# KiCad board ciaa_acc.kicad_pcb (continued)
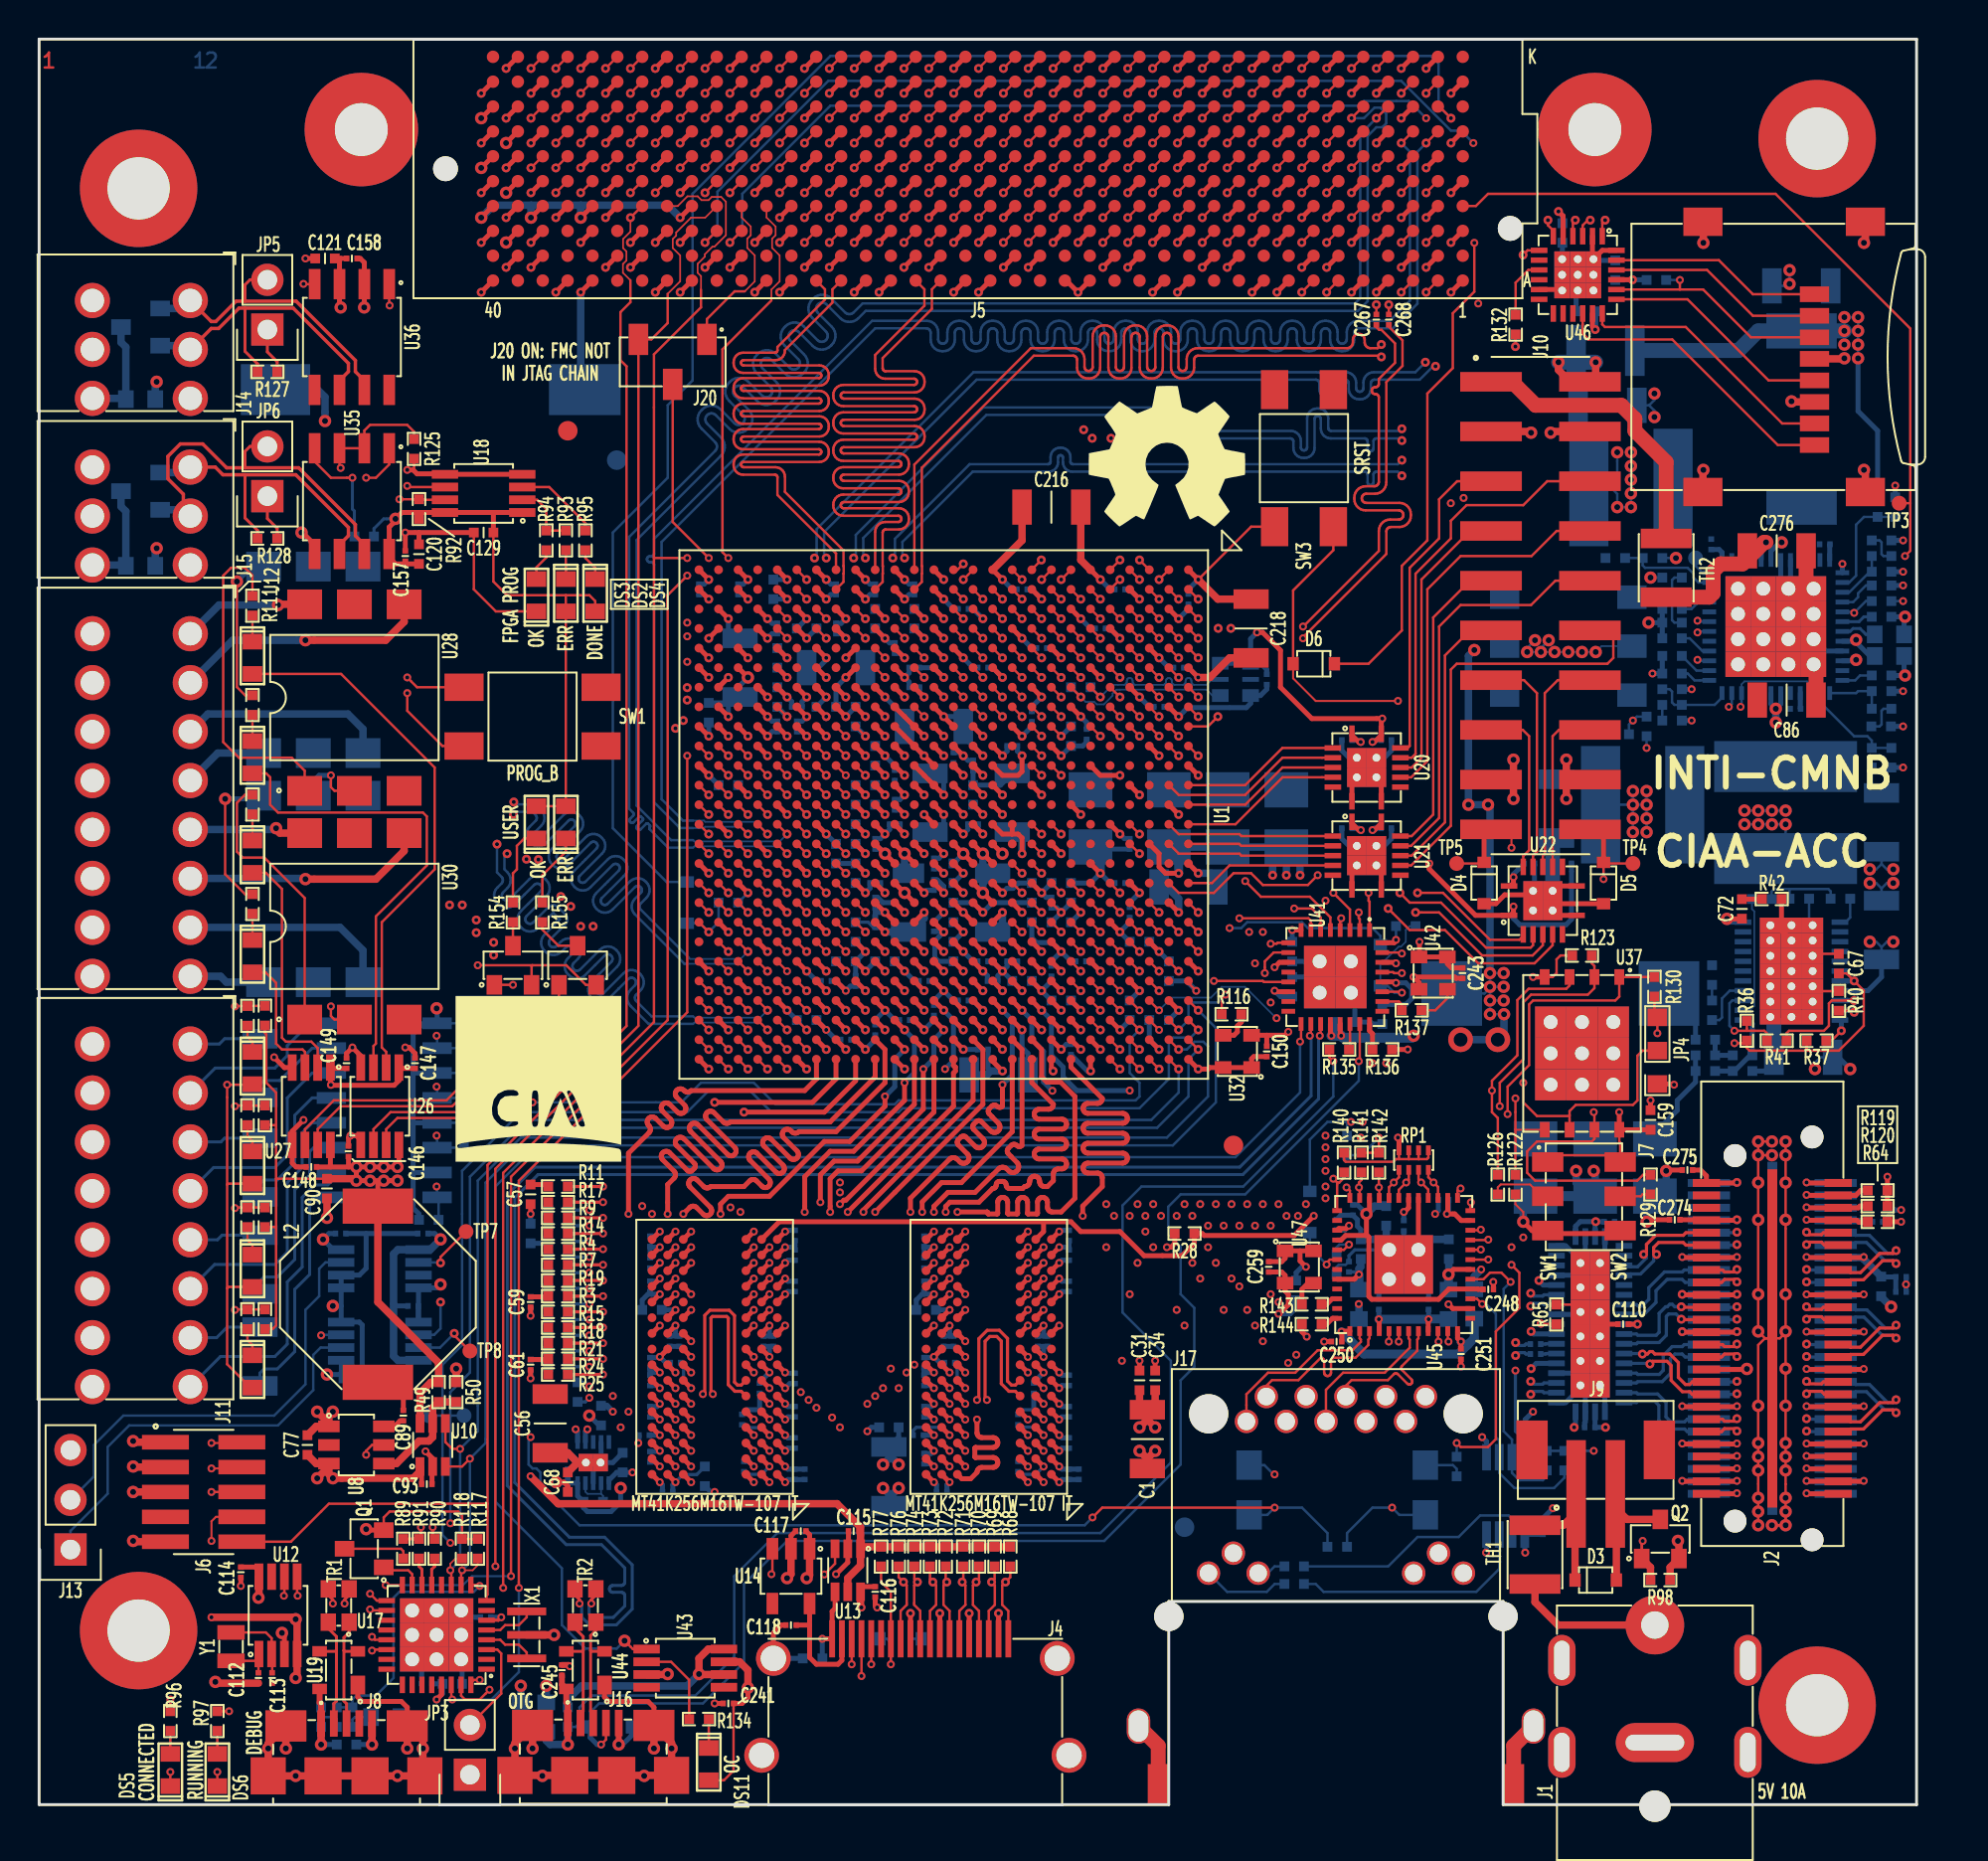
[diagram p0: board, top side]
## Routing (per net, layer and track width the routed paths; a pad name or vN(x,y) marks a point on that pad's centre or on a via; arc(x,y) is an arc through that point) (continued)
/Principal/BANKS_HP/FMC_HA_5_N: length 55.2
  TOP_L1.Sig w0.127: J5.E7 65.08,82.92 v2(64.49,82.32) ; U1.H11 v2(52.2,52.57)
  L5.Sig w0.089: v2(52.2,52.57) 52.57,52.94 59.7,52.94 59.71,52.93 63.49,52.93 69.07,58.52 69.07,70.33 69.06,70.43 69.03,70.51 68.98,70.59 68.92,70.66 68.84,70.71 68.75,70.74 68.66,70.75 68.5,70.75 68.46,70.75 68.43,70.76 68.4,70.78 68.37,70.81 68.35,70.84 68.34,70.87 68.34,70.9 68.34,70.91 68.34,70.94 68.35,70.98 68.37,71.01 68.4,71.03 68.43,71.05 68.46,71.06 68.5,71.07 69.54,71.07 69.64,71.08 69.72,71.11 69.8,71.16 69.87,71.22 69.92,71.3 69.95,71.39 69.96,71.48 69.96,71.53 69.95,71.62 69.92,71.71 69.87,71.79 69.8,71.86 69.72,71.9 69.64,71.94 69.54,71.95 69.23,71.95 69.2,71.95 69.16,71.96 69.13,71.98 69.11,72.01 69.09,72.04 69.08,72.07 69.07,72.11 69.07,72.22 67.22,74.08 67.19,74.11 67.17,74.15 67.16,74.19 67.16,74.23 67.17,74.27 67.19,74.31 67.22,74.34 67.58,74.71 67.64,74.78 67.68,74.87 67.71,74.97 67.71,75.07 67.68,75.16 67.64,75.25 67.58,75.33 67.54,75.36 67.47,75.42 67.38,75.47 67.28,75.49 67.18,75.49 67.09,75.47 67,75.42 66.92,75.36 66.56,75 66.53,74.97 66.49,74.95 66.45,74.95 66.41,74.95 66.37,74.95 66.33,74.97 66.3,75 66.27,75.03 66.25,75.07 66.24,75.11 66.24,75.15 66.25,75.19 66.27,75.23 66.3,75.26 66.66,75.63 66.72,75.7 66.77,75.79 66.79,75.89 66.79,75.98 66.77,76.08 66.72,76.17 66.66,76.24 66.62,76.28 66.55,76.34 66.46,76.39 66.36,76.41 66.26,76.41 66.17,76.39 66.08,76.34 66,76.28 65.64,75.92 65.61,75.89 65.57,75.87 65.53,75.86 65.49,75.86 65.45,75.87 65.41,75.89 65.38,75.92 65.26,76.03 65.26,81.33 65.75,81.82 66,81.82 66.26,82.07 66.26,82.58 66,82.83 65.49,82.83 64.99,82.32 64.48,82.32
/Principal/BANKS_HP/FMC_HA_5_P: length 54.3
  TOP_L1.Sig w0.127: v2(65.76,82.32) 66.35,82.92 J5.E6 ; U1.J11 v2(51.2,52.57)
  L5.Sig w0.089: v2(51.2,52.57) 51.82,53.19 59.7,53.19 59.72,53.21 63.37,53.21 68.79,58.63 68.79,70.31 68.79,70.34 68.78,70.38 68.76,70.41 68.73,70.43 68.7,70.45 68.67,70.46 68.64,70.47 68.47,70.47 68.38,70.48 68.29,70.51 68.21,70.56 68.15,70.62 68.1,70.7 68.07,70.79 68.06,70.88 68.06,70.93 68.07,71.03 68.1,71.11 68.15,71.19 68.21,71.26 68.29,71.31 68.38,71.34 68.47,71.35 69.52,71.35 69.55,71.35 69.59,71.36 69.62,71.38 69.64,71.41 69.66,71.44 69.67,71.47 69.68,71.51 69.67,71.54 69.66,71.58 69.64,71.61 69.62,71.63 69.59,71.65 69.55,71.66 69.52,71.67 69.21,71.67 69.12,71.68 69.03,71.71 68.95,71.76 68.88,71.82 68.83,71.9 68.8,71.99 68.79,72.08 68.79,72.11 67,73.9 66.94,73.98 66.9,74.07 66.87,74.16 66.87,74.26 66.9,74.35 66.94,74.44 67,74.52 67.36,74.88 67.39,74.92 67.41,74.95 67.42,75 67.42,75.04 67.41,75.08 67.39,75.11 67.36,75.15 67.33,75.17 67.29,75.19 67.25,75.2 67.21,75.2 67.17,75.19 67.13,75.17 67.1,75.15 66.74,74.78 66.66,74.72 66.57,74.68 66.48,74.66 66.38,74.66 66.28,74.68 66.19,74.72 66.12,74.78 66.08,74.82 66.02,74.9 65.98,74.98 65.95,75.08 65.95,75.18 65.98,75.27 66.02,75.36 66.08,75.44 66.44,75.8 66.47,75.84 66.49,75.87 66.5,75.91 66.5,75.96 66.49,76 66.47,76.03 66.44,76.07 66.41,76.09 66.38,76.11 66.33,76.12 66.29,76.12 66.25,76.11 66.22,76.09 66.18,76.07 65.82,75.7 65.74,75.64 65.65,75.6 65.56,75.58 65.46,75.58 65.36,75.6 65.28,75.64 65.2,75.7 64.98,75.92 64.98,77.5 64.98,77.53 64.97,77.56 64.95,77.59 64.93,77.62 64.9,77.63 64.87,77.64 64.83,77.65 64.45,77.65 64.42,77.65 64.39,77.66 64.36,77.68 64.34,77.7 64.32,77.73 64.31,77.76 64.3,77.8 64.31,77.83 64.32,77.86 64.34,77.89 64.36,77.92 64.39,77.93 64.42,77.94 64.45,77.95 64.83,77.95 64.87,77.95 64.9,77.96 64.93,77.98 64.95,78 64.97,78.03 64.98,78.06 64.98,78.1 64.98,81.55 v2(65.76,82.32)
/Principal/BANKS_HP/FMC_HA_6_N: length 54.4
  TOP_L1.Sig w0.127: U1.D8 v2(56.2,55.57) ; v2(59.41,88.67) 60,89.27 J5.K11
  L3.Sig w0.089: v2(59.41,88.67) 59.9,88.18 59.9,76.17 65.36,70.71 65.36,66.9 65.37,66.84 65.39,66.77 65.43,66.72 65.47,66.67 65.53,66.64 65.59,66.61 65.66,66.61 65.82,66.61 65.82,66.61 65.83,66.6 65.84,66.6 65.84,66.6 65.84,66.59 65.85,66.58 65.85,66.58 65.85,66.32 65.85,66.31 65.84,66.3 65.84,66.3 65.84,66.29 65.83,66.29 65.82,66.29 65.82,66.29 65.17,66.29 65.11,66.28 65.05,66.26 64.99,66.22 64.95,66.18 64.91,66.12 64.89,66.06 64.88,65.99 64.88,65.7 64.89,65.64 64.91,65.57 64.95,65.52 64.99,65.47 65.05,65.44 65.11,65.41 65.17,65.41 65.82,65.41 65.82,65.41 65.83,65.4 65.84,65.4 65.84,65.4 65.84,65.39 65.85,65.38 65.85,65.38 65.85,65.12 65.85,65.11 65.84,65.1 65.84,65.1 65.84,65.09 65.83,65.09 65.82,65.09 65.82,65.09 65.17,65.09 65.11,65.08 65.05,65.06 64.99,65.02 64.95,64.98 64.91,64.92 64.89,64.86 64.88,64.79 64.88,64.5 64.89,64.44 64.91,64.37 64.95,64.32 64.99,64.27 65.05,64.24 65.11,64.21 65.17,64.21 65.82,64.21 65.82,64.21 65.83,64.2 65.84,64.2 65.84,64.2 65.84,64.19 65.85,64.18 65.85,64.18 65.85,63.92 65.85,63.91 65.84,63.9 65.84,63.9 65.84,63.89 65.83,63.89 65.82,63.89 65.82,63.89 65.17,63.89 65.11,63.88 65.05,63.86 64.99,63.82 64.95,63.78 64.91,63.72 64.89,63.66 64.88,63.59 64.88,63.3 64.89,63.24 64.91,63.17 64.95,63.12 64.99,63.07 65.05,63.04 65.11,63.01 65.17,63.01 65.82,63.01 65.82,63.01 65.83,63 65.84,63 65.84,63 65.84,62.99 65.85,62.98 65.85,62.98 65.85,62.72 65.85,62.71 65.84,62.7 65.84,62.7 65.84,62.69 65.83,62.69 65.82,62.69 65.82,62.69 65.17,62.69 65.11,62.68 65.05,62.66 64.99,62.62 64.95,62.58 64.91,62.52 64.89,62.46 64.88,62.39 64.88,62.1 64.89,62.04 64.91,61.97 64.95,61.92 64.99,61.87 65.05,61.84 65.11,61.81 65.17,61.81 65.82,61.81 65.82,61.81 65.83,61.8 65.84,61.8 65.84,61.8 65.84,61.79 65.85,61.78 65.85,61.78 65.85,61.52 65.85,61.51 65.84,61.5 65.84,61.5 65.84,61.49 65.83,61.49 65.82,61.49 65.82,61.49 65.17,61.49 65.11,61.48 65.05,61.46 64.99,61.42 64.95,61.38 64.91,61.32 64.89,61.26 64.88,61.19 64.88,60.9 64.89,60.84 64.91,60.77 64.95,60.72 64.99,60.67 65.05,60.64 65.11,60.61 65.17,60.61 65.5,60.61 65.5,60.6 65.82,60.6 65.82,60.6 65.83,60.6 65.84,60.6 65.84,60.59 65.84,60.59 65.85,60.58 65.85,60.57 65.85,60.32 65.85,60.31 65.84,60.3 65.84,60.3 65.84,60.29 65.83,60.29 65.82,60.28 65.82,60.28 65.66,60.28 65.59,60.28 65.53,60.25 65.47,60.22 65.43,60.17 65.39,60.12 65.37,60.06 65.36,59.99 65.36,59.43 65.36,59.4 65.35,59.36 65.33,59.34 65.31,59.31 65.28,59.29 65.25,59.28 65.21,59.28 65.15,59.28 65.12,59.28 65.09,59.26 65.06,59.25 65.04,59.22 65.02,59.19 65.01,59.16 65,59.13 65.01,59.1 65.02,59.06 65.04,59.04 65.06,59.01 65.09,58.99 65.12,58.98 65.15,58.98 65.21,58.98 65.25,58.98 65.28,58.96 65.31,58.95 65.33,58.92 65.35,58.89 65.36,58.86 65.36,58.83 65.36,58.38 62.2,55.21 60.5,55.21 60.48,55.19 56.58,55.19 v2(56.2,55.57)
/Principal/BANKS_HP/FMC_HA_6_P: length 54.4
  TOP_L1.Sig w0.127: U1.D9 v2(56.2,54.57) ; v2(60.68,88.67) 61.27,89.27 J5.K10
  L3.Sig w0.089: v2(60.68,88.67) 60.18,88.18 60.18,76.29 65.64,70.82 65.64,66.92 65.64,66.91 65.65,66.9 65.65,66.9 65.66,66.89 65.66,66.89 65.67,66.89 65.68,66.89 65.83,66.89 65.9,66.88 65.96,66.86 66.02,66.82 66.06,66.78 66.1,66.72 66.12,66.66 66.13,66.59 66.13,66.3 66.12,66.24 66.1,66.17 66.06,66.12 66.02,66.07 65.96,66.04 65.9,66.01 65.83,66.01 65.19,66.01 65.19,66.01 65.18,66 65.17,66 65.17,66 65.16,65.99 65.16,65.98 65.16,65.98 65.16,65.72 65.16,65.71 65.16,65.7 65.17,65.7 65.17,65.69 65.18,65.69 65.19,65.69 65.19,65.69 65.83,65.69 65.9,65.68 65.96,65.66 66.02,65.62 66.06,65.58 66.1,65.52 66.12,65.46 66.13,65.39 66.13,65.1 66.12,65.04 66.1,64.97 66.06,64.92 66.02,64.87 65.96,64.84 65.9,64.81 65.83,64.81 65.19,64.81 65.19,64.81 65.18,64.8 65.17,64.8 65.17,64.8 65.16,64.79 65.16,64.78 65.16,64.78 65.16,64.52 65.16,64.51 65.16,64.5 65.17,64.5 65.17,64.49 65.18,64.49 65.19,64.49 65.19,64.49 65.83,64.49 65.9,64.48 65.96,64.46 66.02,64.42 66.06,64.38 66.1,64.32 66.12,64.26 66.13,64.19 66.13,63.9 66.12,63.84 66.1,63.77 66.06,63.72 66.02,63.67 65.96,63.64 65.9,63.61 65.83,63.61 65.19,63.61 65.19,63.61 65.18,63.6 65.17,63.6 65.17,63.6 65.16,63.59 65.16,63.58 65.16,63.58 65.16,63.32 65.16,63.31 65.16,63.3 65.17,63.3 65.17,63.29 65.18,63.29 65.19,63.29 65.19,63.29 65.83,63.29 65.9,63.28 65.96,63.26 66.02,63.22 66.06,63.18 66.1,63.12 66.12,63.06 66.13,62.99 66.13,62.7 66.12,62.64 66.1,62.57 66.06,62.52 66.02,62.47 65.96,62.44 65.9,62.41 65.83,62.41 65.19,62.41 65.19,62.41 65.18,62.4 65.17,62.4 65.17,62.4 65.16,62.39 65.16,62.38 65.16,62.38 65.16,62.12 65.16,62.11 65.16,62.1 65.17,62.1 65.17,62.09 65.18,62.09 65.19,62.09 65.19,62.09 65.83,62.09 65.9,62.08 65.96,62.06 66.02,62.02 66.06,61.98 66.1,61.92 66.12,61.86 66.13,61.79 66.13,61.5 66.12,61.44 66.1,61.37 66.06,61.32 66.02,61.27 65.96,61.24 65.9,61.21 65.83,61.21 65.19,61.21 65.19,61.21 65.18,61.2 65.17,61.2 65.17,61.2 65.16,61.19 65.16,61.18 65.16,61.18 65.16,60.92 65.16,60.91 65.16,60.9 65.17,60.9 65.17,60.89 65.18,60.89 65.19,60.89 65.19,60.89 65.5,60.89 65.5,60.88 65.83,60.88 65.9,60.88 65.96,60.85 66.02,60.82 66.06,60.77 66.1,60.72 66.12,60.66 66.13,60.59 66.13,60.3 66.12,60.23 66.1,60.17 66.06,60.11 66.02,60.07 65.96,60.03 65.9,60.01 65.83,60 65.68,60 65.67,60 65.66,60 65.66,60 65.65,59.99 65.65,59.99 65.64,59.98 65.64,59.97 65.64,58.26 62.31,54.93 60.5,54.93 60.48,54.95 56.58,54.95 v2(56.2,54.57)
/Principal/BANKS_HP/FMC_HA_7_N: length 54.4
  TOP_L1.Sig w0.127: v2(60.68,87.4) 61.27,88 J5.J10 ; U1.H8 v2(52.2,55.57)
  L3.Sig w0.089: v2(52.2,55.57) 52.5,55.57 53.87,54.2 54.67,54.2 54.67,54.19 59.7,54.19 59.72,54.21 62.72,54.21 66.76,58.25 66.76,58.96 66.76,58.98 66.75,59.01 66.73,59.03 66.71,59.05 66.69,59.07 66.66,59.08 66.64,59.08 66.39,59.08 66.36,59.08 66.33,59.09 66.31,59.11 66.29,59.13 66.27,59.15 66.26,59.18 66.26,59.21 66.26,59.23 66.27,59.26 66.29,59.28 66.31,59.3 66.33,59.32 66.36,59.33 66.39,59.33 66.64,59.33 66.66,59.33 66.69,59.34 66.71,59.36 66.73,59.38 66.75,59.4 66.76,59.43 66.76,59.46 66.76,59.48 66.75,59.51 66.73,59.53 66.71,59.55 66.69,59.57 66.66,59.58 66.64,59.58 66.39,59.58 66.36,59.58 66.33,59.59 66.31,59.61 66.29,59.63 66.27,59.65 66.26,59.68 66.26,59.71 66.26,59.73 66.27,59.76 66.29,59.78 66.31,59.8 66.33,59.82 66.36,59.83 66.39,59.83 66.64,59.83 66.66,59.83 66.69,59.84 66.71,59.86 66.73,59.88 66.75,59.9 66.76,59.93 66.76,59.96 66.76,71.09 66.3,71.55 66.25,71.62 66.21,71.7 66.19,71.79 66.19,71.89 66.21,71.98 66.25,72.06 66.3,72.13 66.67,72.5 66.69,72.53 66.71,72.56 66.72,72.59 66.72,72.63 66.71,72.66 66.69,72.7 66.67,72.72 66.64,72.75 66.61,72.76 66.57,72.77 66.54,72.77 66.5,72.76 66.47,72.75 66.44,72.72 65.59,71.87 65.53,71.82 65.45,71.79 65.37,71.77 65.29,71.77 65.21,71.79 65.14,71.82 65.07,71.87 64.97,71.98 64.92,72.04 64.88,72.11 64.86,72.19 64.86,72.28 64.88,72.36 64.92,72.43 64.97,72.5 65.08,72.61 65.1,72.63 65.11,72.65 65.12,72.68 65.12,72.7 65.11,72.73 65.1,72.75 65.08,72.77 61.17,76.68 61.17,86.91 v2(60.68,87.4)
/Principal/BANKS_HP/FMC_HA_7_P: length 54.4
  TOP_L1.Sig w0.127: J5.J9 62.54,88 v2(61.95,87.4) ; U1.J8 v2(51.2,55.57)
  L3.Sig w0.089: v2(61.95,87.4) 61.45,86.91 61.45,76.79 65.3,72.95 65.35,72.88 65.39,72.81 65.4,72.73 65.4,72.65 65.39,72.57 65.35,72.49 65.3,72.43 65.18,72.31 65.17,72.29 65.16,72.27 65.15,72.25 65.15,72.22 65.16,72.2 65.17,72.18 65.18,72.16 65.25,72.09 65.27,72.07 65.3,72.06 65.32,72.06 65.34,72.06 65.37,72.06 65.39,72.07 65.41,72.09 66.26,72.94 66.34,73 66.42,73.04 66.51,73.06 66.6,73.06 66.69,73.04 66.78,73 66.85,72.94 66.88,72.9 66.94,72.83 66.98,72.75 67,72.66 67,72.56 66.98,72.47 66.94,72.39 66.88,72.32 66.52,71.95 66.5,71.93 66.48,71.89 66.47,71.86 66.47,71.82 66.48,71.79 66.5,71.75 66.52,71.73 67.04,71.21 67.04,58.14 62.83,53.93 59.7,53.93 59.68,53.95 54.6,53.95 53.72,53.95 52.6,55.07 51.7,55.07 v2(51.2,55.57)
/Principal/BANKS_HP/FMC_HA_8_N: length 54.3
  TOP_L1.Sig w0.127: U1.B9 v2(58.2,54.57) ; v2(59.41,83.59) 60,84.19 J5.F11
  L5.Sig w0.089: v2(59.41,83.59) 59.9,83.1 59.9,78.28 59.9,78.21 59.87,78.15 59.84,78.09 59.79,78.05 59.73,78.01 59.67,77.99 59.6,77.98 59.12,77.98 59.05,77.97 58.98,77.95 58.93,77.92 58.88,77.87 58.84,77.81 58.82,77.75 58.82,77.68 58.82,77.61 58.84,77.55 58.88,77.49 58.93,77.45 58.98,77.41 59.05,77.39 59.12,77.38 59.6,77.38 59.67,77.37 59.73,77.35 59.79,77.32 59.84,77.27 59.87,77.21 59.9,77.15 59.9,77.08 61.19,75.8 61.26,75.74 61.34,75.7 61.43,75.68 61.53,75.68 61.62,75.7 61.7,75.74 61.77,75.8 62.33,76.36 62.36,76.38 62.4,76.4 62.43,76.41 62.47,76.41 62.5,76.4 62.53,76.38 62.56,76.36 62.58,76.33 62.6,76.3 62.61,76.26 62.61,76.23 62.6,76.19 62.58,76.16 62.56,76.13 62,75.57 61.94,75.5 61.9,75.41 61.88,75.32 61.88,75.23 61.9,75.14 61.94,75.06 62,74.99 62.04,74.95 62.11,74.89 62.19,74.85 62.28,74.83 62.37,74.83 62.47,74.85 62.55,74.89 62.62,74.95 63.18,75.51 63.21,75.53 63.24,75.55 63.28,75.56 63.31,75.56 63.35,75.55 63.38,75.53 63.41,75.51 63.43,75.48 63.45,75.45 63.46,75.42 63.46,75.38 63.45,75.34 63.43,75.31 63.41,75.28 62.85,74.72 62.79,74.65 62.75,74.57 62.73,74.48 62.73,74.38 62.75,74.29 62.79,74.21 62.85,74.14 62.88,74.1 62.96,74.04 63.04,74 63.13,73.98 63.22,73.98 63.31,74 63.4,74.04 63.47,74.1 64.03,74.66 64.06,74.68 64.09,74.7 64.13,74.71 64.16,74.71 64.2,74.7 64.23,74.68 64.26,74.66 64.28,74.63 64.3,74.6 64.3,74.57 64.3,74.53 64.3,74.5 64.28,74.46 64.26,74.44 63.7,73.87 63.64,73.8 63.6,73.72 63.58,73.63 63.58,73.53 63.6,73.44 63.64,73.36 63.7,73.29 63.73,73.25 63.81,73.19 63.89,73.15 63.98,73.13 64.07,73.13 64.16,73.15 64.25,73.19 64.32,73.25 64.88,73.81 64.91,73.84 64.94,73.85 64.98,73.86 65.01,73.86 65.05,73.85 65.08,73.84 65.11,73.81 65.13,73.79 65.14,73.75 65.15,73.72 65.15,73.68 65.14,73.65 65.13,73.62 65.11,73.59 64.55,73.03 64.49,72.95 64.45,72.87 64.43,72.78 64.43,72.69 64.45,72.6 64.49,72.51 64.55,72.44 64.58,72.4 64.65,72.35 64.74,72.31 64.83,72.28 64.92,72.28 65.01,72.31 65.09,72.35 65.17,72.4 65.73,72.97 65.76,72.99 65.79,73 65.82,73.01 65.86,73.01 65.9,73 65.93,72.99 65.96,72.97 65.98,72.94 65.99,72.9 66,72.87 66,72.83 65.99,72.8 65.98,72.77 65.96,72.74 65.39,72.18 65.34,72.1 65.3,72.02 65.28,71.93 65.28,71.84 65.3,71.75 65.34,71.66 65.39,71.59 65.43,71.56 65.5,71.5 65.59,71.46 65.68,71.44 65.77,71.44 65.86,71.46 65.94,71.5 66.02,71.56 66.58,72.12 66.61,72.14 66.64,72.15 66.67,72.16 66.71,72.16 66.74,72.15 66.78,72.14 66.8,72.12 66.83,72.09 66.84,72.06 66.85,72.02 66.85,71.99 66.84,71.95 66.83,71.92 66.8,71.89 66.24,71.33 66.18,71.26 66.14,71.17 66.12,71.08 66.12,70.99 66.14,70.9 66.18,70.81 66.24,70.74 66.26,70.72 66.26,58.43 62.44,54.6 59.33,54.6 59.3,54.57 v2(58.2,54.57)
/Principal/BANKS_HP/FMC_HA_8_P: length 54.3
  TOP_L1.Sig w0.127: v2(60.68,83.59) 61.27,84.19 J5.F10 ; U1.C9 v2(57.2,54.57)
  L5.Sig w0.089: v2(57.2,54.57) 57.57,54.2 59.38,54.2 59.51,54.32 62.55,54.32 66.54,58.31 66.54,70.84 66.46,70.92 66.44,70.95 66.42,70.98 66.41,71.02 66.41,71.05 66.42,71.09 66.44,71.12 66.46,71.15 67.02,71.71 67.08,71.78 67.12,71.87 67.14,71.96 67.14,72.05 67.12,72.14 67.08,72.22 67.02,72.3 66.98,72.33 66.91,72.39 66.83,72.43 66.74,72.45 66.64,72.45 66.55,72.43 66.47,72.39 66.4,72.33 65.84,71.77 65.81,71.75 65.78,71.73 65.74,71.72 65.7,71.72 65.67,71.73 65.64,71.75 65.61,71.77 65.59,71.8 65.57,71.83 65.56,71.87 65.56,71.9 65.57,71.94 65.59,71.97 65.61,72 66.17,72.56 66.23,72.63 66.27,72.72 66.29,72.81 66.29,72.9 66.27,72.99 66.23,73.07 66.17,73.14 66.14,73.18 66.06,73.24 65.98,73.28 65.89,73.3 65.8,73.3 65.71,73.28 65.62,73.24 65.55,73.18 64.99,72.62 64.96,72.6 64.93,72.58 64.89,72.57 64.86,72.57 64.82,72.58 64.79,72.6 64.76,72.62 64.74,72.65 64.72,72.68 64.71,72.71 64.71,72.75 64.72,72.79 64.74,72.82 64.76,72.85 65.32,73.41 65.38,73.48 65.42,73.56 65.44,73.65 65.44,73.75 65.42,73.84 65.38,73.92 65.32,73.99 65.29,74.03 65.21,74.09 65.13,74.13 65.04,74.15 64.95,74.15 64.86,74.13 64.77,74.09 64.7,74.03 64.14,73.47 64.11,73.45 64.08,73.43 64.04,73.42 64.01,73.42 63.97,73.43 63.94,73.45 63.91,73.47 63.89,73.5 63.87,73.53 63.87,73.56 63.87,73.6 63.87,73.63 63.89,73.67 63.91,73.69 64.47,74.26 64.53,74.33 64.57,74.41 64.59,74.5 64.59,74.6 64.57,74.69 64.53,74.77 64.47,74.84 64.44,74.88 64.37,74.94 64.28,74.98 64.19,75 64.1,75 64.01,74.98 63.92,74.94 63.85,74.88 63.29,74.32 63.26,74.29 63.23,74.28 63.2,74.27 63.16,74.27 63.12,74.28 63.09,74.29 63.06,74.32 63.04,74.34 63.03,74.38 63.02,74.41 63.02,74.45 63.03,74.48 63.04,74.51 63.06,74.54 63.63,75.1 63.68,75.18 63.72,75.26 63.74,75.35 63.74,75.44 63.72,75.53 63.68,75.62 63.63,75.69 63.59,75.73 63.52,75.78 63.43,75.82 63.34,75.85 63.25,75.85 63.16,75.82 63.08,75.78 63,75.73 62.44,75.16 62.41,75.14 62.38,75.13 62.35,75.12 62.31,75.12 62.28,75.13 62.24,75.14 62.22,75.16 62.19,75.19 62.18,75.23 62.17,75.26 62.17,75.3 62.18,75.33 62.19,75.36 62.22,75.39 62.78,75.95 62.83,76.03 62.88,76.11 62.9,76.2 62.9,76.29 62.88,76.38 62.83,76.47 62.78,76.54 62.74,76.57 62.67,76.63 62.58,76.67 62.49,76.69 62.4,76.69 62.31,76.67 62.23,76.63 62.16,76.57 61.59,76.01 61.57,75.99 61.53,75.98 61.5,75.97 61.46,75.97 61.43,75.98 61.39,75.99 61.37,76.01 60.18,77.2 60.18,83.1 v2(60.68,83.59)
/Principal/BANKS_HP/FMC_HA_9_N: length 54.3
  TOP_L1.Sig w0.127: U1.A10 v2(59.2,53.57) ; J5.E10 61.27,82.92 v2(60.68,82.32)
  L5.Sig w0.089: v2(60.68,82.32) 61.17,82.82 61.17,84.03 61.51,84.37 62.39,84.37 62.72,84.03 62.72,78.88 63.97,77.63 63.97,76.18 67.8,72.35 67.8,70.62 67.79,70.54 67.77,70.47 67.73,70.41 67.67,70.35 67.61,70.31 67.54,70.29 67.46,70.28 67.3,70.28 67.28,70.27 67.26,70.27 67.25,70.26 67.23,70.25 67.22,70.23 67.22,70.21 67.22,70.19 67.22,70.04 67.22,70.02 67.22,70 67.23,69.99 67.25,69.97 67.26,69.96 67.28,69.96 67.3,69.96 67.66,69.96 67.66,69.95 68.05,69.95 68.12,69.95 68.2,69.92 68.26,69.88 68.31,69.83 68.36,69.76 68.38,69.69 68.39,69.61 68.39,69.42 68.38,69.34 68.36,69.27 68.31,69.2 68.26,69.15 68.2,69.11 68.12,69.08 68.05,69.08 67.3,69.08 67.28,69.07 67.26,69.07 67.25,69.06 67.23,69.04 67.22,69.03 67.22,69.01 67.22,68.99 67.22,68.84 67.22,68.82 67.22,68.8 67.23,68.79 67.25,68.77 67.26,68.76 67.28,68.76 67.3,68.75 68.05,68.75 68.12,68.75 68.2,68.72 68.26,68.68 68.31,68.63 68.36,68.56 68.38,68.49 68.39,68.41 68.39,68.22 68.38,68.14 68.36,68.07 68.31,68 68.26,67.95 68.2,67.91 68.12,67.88 68.05,67.88 67.3,67.88 67.28,67.87 67.26,67.87 67.25,67.86 67.23,67.84 67.22,67.83 67.22,67.81 67.22,67.79 67.22,67.64 67.22,67.62 67.22,67.6 67.23,67.59 67.25,67.57 67.26,67.56 67.28,67.56 67.3,67.55 68.05,67.55 68.12,67.55 68.2,67.52 68.26,67.48 68.31,67.43 68.36,67.36 68.38,67.29 68.39,67.21 68.39,67.02 68.38,66.94 68.36,66.87 68.31,66.8 68.26,66.75 68.2,66.71 68.12,66.68 68.05,66.68 67.3,66.68 67.28,66.67 67.26,66.67 67.25,66.66 67.23,66.64 67.22,66.63 67.22,66.61 67.22,66.59 67.22,66.44 67.22,66.42 67.22,66.4 67.23,66.39 67.25,66.37 67.26,66.36 67.28,66.36 67.3,66.35 68.05,66.35 68.12,66.35 68.2,66.32 68.26,66.28 68.31,66.23 68.36,66.16 68.38,66.09 68.39,66.01 68.39,65.82 68.38,65.74 68.36,65.67 68.31,65.6 68.26,65.55 68.2,65.51 68.12,65.48 68.05,65.48 67.3,65.48 67.28,65.47 67.26,65.47 67.25,65.46 67.23,65.44 67.22,65.43 67.22,65.41 67.22,65.39 67.22,65.24 67.22,65.22 67.22,65.2 67.23,65.19 67.25,65.17 67.26,65.16 67.28,65.16 67.3,65.15 68.05,65.15 68.12,65.15 68.2,65.12 68.26,65.08 68.31,65.03 68.36,64.96 68.38,64.89 68.39,64.81 68.39,64.62 68.38,64.54 68.36,64.47 68.31,64.4 68.26,64.35 68.2,64.31 68.12,64.28 68.05,64.28 67.3,64.28 67.28,64.27 67.26,64.27 67.25,64.26 67.23,64.24 67.22,64.23 67.22,64.21 67.22,64.19 67.22,64.04 67.22,64.02 67.22,64 67.23,63.99 67.25,63.97 67.26,63.96 67.28,63.96 67.3,63.95 67.46,63.95 67.54,63.95 67.61,63.92 67.67,63.88 67.73,63.83 67.77,63.76 67.79,63.69 67.8,63.61 67.8,58.39 63.03,53.62 59.66,53.62 59.61,53.57 v2(59.2,53.57)
/Principal/BANKS_HP/FMC_HA_9_P: length 54.3
  TOP_L1.Sig w0.127: U1.B10 v2(58.2,53.57) ; J5.E9 62.54,82.92 v2(61.95,82.32)
  L5.Sig w0.089: v2(58.2,53.57) 58.58,53.95 59.12,53.95 59.13,53.94 59.66,53.94 59.7,53.91 62.93,53.91 67.52,58.51 67.52,63.59 67.52,63.61 67.52,63.63 67.51,63.64 67.49,63.66 67.48,63.67 67.46,63.67 67.44,63.68 67.28,63.68 67.2,63.68 67.13,63.71 67.07,63.75 67.01,63.8 66.97,63.87 66.95,63.94 66.94,64.02 66.94,64.21 66.95,64.29 66.97,64.36 67.01,64.43 67.07,64.48 67.13,64.52 67.2,64.55 67.28,64.55 68.03,64.55 68.04,64.56 68.06,64.56 68.08,64.57 68.09,64.59 68.1,64.6 68.11,64.62 68.11,64.64 68.11,64.79 68.11,64.81 68.1,64.83 68.09,64.84 68.08,64.86 68.06,64.87 68.04,64.87 68.03,64.88 67.28,64.88 67.2,64.88 67.13,64.91 67.07,64.95 67.01,65 66.97,65.07 66.95,65.14 66.94,65.22 66.94,65.41 66.95,65.49 66.97,65.56 67.01,65.63 67.07,65.68 67.13,65.72 67.2,65.75 67.28,65.75 68.03,65.75 68.04,65.76 68.06,65.76 68.08,65.77 68.09,65.79 68.1,65.8 68.11,65.82 68.11,65.84 68.11,65.99 68.11,66.01 68.1,66.03 68.09,66.04 68.08,66.06 68.06,66.07 68.04,66.07 68.03,66.08 67.28,66.08 67.2,66.08 67.13,66.11 67.07,66.15 67.01,66.2 66.97,66.27 66.95,66.34 66.94,66.42 66.94,66.61 66.95,66.69 66.97,66.76 67.01,66.83 67.07,66.88 67.13,66.92 67.2,66.95 67.28,66.95 68.03,66.95 68.04,66.96 68.06,66.96 68.08,66.97 68.09,66.99 68.1,67 68.11,67.02 68.11,67.04 68.11,67.19 68.11,67.21 68.1,67.23 68.09,67.24 68.08,67.26 68.06,67.27 68.04,67.27 68.03,67.28 67.28,67.28 67.2,67.28 67.13,67.31 67.07,67.35 67.01,67.4 66.97,67.47 66.95,67.54 66.94,67.62 66.94,67.81 66.95,67.89 66.97,67.96 67.01,68.03 67.07,68.08 67.13,68.12 67.2,68.15 67.28,68.15 68.03,68.15 68.04,68.16 68.06,68.16 68.08,68.17 68.09,68.19 68.1,68.2 68.11,68.22 68.11,68.24 68.11,68.39 68.11,68.41 68.1,68.43 68.09,68.44 68.08,68.46 68.06,68.47 68.04,68.47 68.03,68.48 67.28,68.48 67.2,68.48 67.13,68.51 67.07,68.55 67.01,68.6 66.97,68.67 66.95,68.74 66.94,68.82 66.94,69.01 66.95,69.09 66.97,69.16 67.01,69.23 67.07,69.28 67.13,69.32 67.2,69.35 67.28,69.35 68.03,69.35 68.04,69.36 68.06,69.36 68.08,69.37 68.09,69.39 68.1,69.4 68.11,69.42 68.11,69.44 68.11,69.59 68.11,69.61 68.1,69.63 68.09,69.64 68.08,69.66 68.06,69.67 68.04,69.67 68.03,69.68 67.66,69.68 67.28,69.68 67.2,69.69 67.13,69.71 67.07,69.75 67.01,69.81 66.97,69.87 66.95,69.94 66.94,70.02 66.94,70.21 66.95,70.29 66.97,70.36 67.01,70.43 67.07,70.48 67.13,70.52 67.2,70.55 67.28,70.56 67.44,70.56 67.46,70.56 67.48,70.56 67.49,70.57 67.51,70.59 67.52,70.6 67.52,70.62 67.52,70.64 67.52,72.23 63.69,76.07 63.69,77.52 63.34,77.86 63.33,77.88 63.31,77.89 63.29,77.89 63.26,77.89 63.24,77.89 63.22,77.88 63.2,77.86 63.2,77.86 63.18,77.84 63.16,77.83 63.14,77.83 63.12,77.83 63.09,77.83 63.07,77.84 63.06,77.86 63.04,77.87 63.03,77.89 63.03,77.92 63.03,77.94 63.03,77.96 63.04,77.98 63.06,78 63.06,78 63.08,78.02 63.09,78.04 63.09,78.06 63.09,78.09 63.09,78.11 63.08,78.13 63.06,78.15 62.44,78.76 62.44,83.92 62.27,84.09 61.62,84.09 61.45,83.92 61.45,82.82 v2(61.95,82.32)
/Principal/BANKS_HP/FMC_HA_10_N: length 54.4
  TOP_L1.Sig w0.127: v2(55.6,88.67) 56.19,89.27 J5.K14 ; U1.A7 v2(59.2,56.57)
  L3.Sig w0.089: v2(59.2,56.57) 59.36,56.73 61.06,56.73 63.08,58.75 63.08,69.49 60.19,72.38 60.17,72.4 60.15,72.44 60.15,72.47 60.15,72.51 60.15,72.54 60.17,72.58 60.19,72.6 60.38,72.79 60.44,72.86 60.48,72.95 60.5,73.04 60.5,73.13 60.48,73.22 60.44,73.3 60.38,73.38 60.34,73.41 60.27,73.47 60.19,73.51 60.1,73.53 60,73.53 59.91,73.51 59.83,73.47 59.76,73.41 58.87,72.53 58.84,72.5 58.81,72.49 58.77,72.48 58.74,72.48 58.7,72.49 58.67,72.5 58.64,72.53 58.62,72.55 58.6,72.59 58.6,72.62 58.6,72.66 58.6,72.69 58.62,72.72 58.64,72.75 59.53,73.64 59.59,73.71 59.63,73.8 59.65,73.89 59.65,73.98 59.63,74.07 59.59,74.15 59.53,74.23 59.49,74.26 59.42,74.32 59.34,74.36 59.25,74.38 59.15,74.38 59.06,74.36 58.98,74.32 58.91,74.26 58.02,73.37 57.99,73.35 57.96,73.34 57.93,73.33 57.89,73.33 57.85,73.34 57.82,73.35 57.79,73.37 57.77,73.4 57.76,73.43 57.75,73.47 57.75,73.51 57.76,73.54 57.77,73.57 57.79,73.6 58.68,74.49 58.74,74.56 58.78,74.64 58.8,74.73 58.8,74.83 58.78,74.92 58.74,75 58.68,75.07 58.65,75.11 58.57,75.17 58.49,75.21 58.4,75.23 58.31,75.23 58.22,75.21 58.13,75.17 58.06,75.11 57.17,74.22 57.14,74.2 57.11,74.18 57.08,74.18 57.04,74.18 57.01,74.18 56.97,74.2 56.95,74.22 56.92,74.25 56.91,74.28 56.9,74.32 56.9,74.35 56.91,74.39 56.92,74.42 56.95,74.45 57.83,75.34 57.89,75.41 57.93,75.49 57.95,75.58 57.95,75.68 57.93,75.77 57.89,75.85 57.83,75.92 57.8,75.96 57.72,76.02 57.64,76.06 57.55,76.08 57.46,76.08 57.37,76.06 57.28,76.02 57.21,75.96 56.32,75.07 56.3,75.05 56.26,75.03 56.23,75.02 56.19,75.02 56.16,75.03 56.13,75.05 56.1,75.07 56.07,75.1 56.06,75.13 56.05,75.17 56.05,75.2 56.06,75.24 56.07,75.27 56.1,75.3 56.39,75.59 56.45,75.66 56.49,75.75 56.51,75.84 56.51,75.93 56.49,76.02 56.45,76.1 56.39,76.18 56.37,76.19 56.37,87.67 56.87,88.17 57.12,88.17 57.38,88.42 57.38,88.93 57.12,89.18 56.74,89.18 56.23,88.67 v2(55.6,88.67)
/Principal/BANKS_HP/FMC_HA_10_P: length 54.4
  TOP_L1.Sig w0.127: v2(56.87,88.67) 57.46,89.27 J5.K13 ; U1.B7 v2(58.2,56.57)
  L3.Sig w0.089: v2(56.87,88.67) 56.09,87.9 56.09,77.27 56.09,77.25 56.08,77.23 56.07,77.21 56.06,77.19 56.04,77.18 56.02,77.17 55.99,77.17 55.62,77.17 55.6,77.17 55.58,77.16 55.56,77.15 55.54,77.13 55.53,77.11 55.52,77.09 55.52,77.07 55.52,77.05 55.53,77.03 55.54,77.01 55.56,76.99 55.58,76.98 55.6,76.97 55.62,76.97 55.99,76.97 56.02,76.97 56.04,76.96 56.06,76.95 56.07,76.93 56.08,76.91 56.09,76.89 56.09,76.87 56.09,76.85 56.08,76.83 56.07,76.81 56.06,76.79 56.04,76.78 56.02,76.77 55.99,76.77 55.62,76.77 55.6,76.77 55.58,76.76 55.56,76.75 55.54,76.73 55.53,76.71 55.52,76.69 55.52,76.67 55.52,76.65 55.53,76.63 55.54,76.61 55.56,76.59 55.58,76.58 55.6,76.57 55.62,76.57 55.99,76.57 56.02,76.57 56.04,76.56 56.06,76.55 56.07,76.53 56.08,76.51 56.09,76.49 56.09,76.47 56.09,76.08 56.18,76 56.2,75.97 56.21,75.94 56.22,75.9 56.22,75.87 56.21,75.83 56.2,75.8 56.18,75.77 55.88,75.48 55.82,75.4 55.78,75.32 55.76,75.23 55.76,75.14 55.78,75.05 55.82,74.96 55.88,74.89 55.92,74.86 55.99,74.8 56.07,74.76 56.16,74.74 56.26,74.74 56.35,74.76 56.43,74.8 56.5,74.86 57.39,75.74 57.42,75.76 57.45,75.78 57.49,75.79 57.52,75.79 57.56,75.78 57.59,75.76 57.62,75.74 57.64,75.71 57.66,75.68 57.66,75.65 57.66,75.61 57.66,75.58 57.64,75.54 57.62,75.52 56.73,74.63 56.67,74.56 56.63,74.47 56.61,74.38 56.61,74.29 56.63,74.2 56.67,74.12 56.73,74.04 56.77,74.01 56.84,73.95 56.92,73.91 57.01,73.89 57.11,73.89 57.2,73.91 57.28,73.95 57.35,74.01 58.24,74.89 58.27,74.92 58.3,74.93 58.33,74.94 58.37,74.94 58.41,74.93 58.44,74.92 58.47,74.89 58.49,74.87 58.5,74.83 58.51,74.8 58.51,74.76 58.5,74.73 58.49,74.7 58.47,74.67 57.58,73.78 57.52,73.71 57.48,73.62 57.46,73.53 57.46,73.44 57.48,73.35 57.52,73.27 57.58,73.19 57.61,73.16 57.69,73.1 57.77,73.06 57.86,73.04 57.95,73.04 58.04,73.06 58.13,73.1 58.2,73.16 59.09,74.05 59.12,74.07 59.15,74.08 59.18,74.09 59.22,74.09 59.25,74.08 59.29,74.07 59.31,74.05 59.34,74.02 59.35,73.99 59.36,73.95 59.36,73.91 59.35,73.88 59.34,73.85 59.31,73.82 58.43,72.93 58.37,72.86 58.33,72.78 58.31,72.68 58.31,72.59 58.33,72.5 58.37,72.42 58.43,72.35 58.46,72.31 58.54,72.25 58.62,72.21 58.71,72.19 58.8,72.19 58.89,72.21 58.98,72.25 59.05,72.31 59.94,73.2 59.96,73.22 60,73.23 60.03,73.24 60.07,73.24 60.1,73.23 60.13,73.22 60.16,73.2 60.19,73.17 60.2,73.14 60.21,73.1 60.21,73.07 60.2,73.03 60.19,73 60.16,72.97 59.98,72.78 59.92,72.71 59.88,72.63 59.86,72.54 59.86,72.44 59.88,72.35 59.92,72.27 59.98,72.2 62.8,69.37 62.8,58.86 60.95,57.01 58.64,57.01 v2(58.2,56.57)